# Altium PCB ECU rev B pcb.PcbDoc (part 2 of 6)
Units mil, origin at the board's own origin, x right, y up, seen from the top; angles counter-clockwise.
Board outline 5590.55 x 4937.67 mil, 4 copper layers (Top Layer, GND, Power, Bottom Layer), stack 23.756 mil thick; 577 components, 350 nets, 1799 pads, 680 vias.
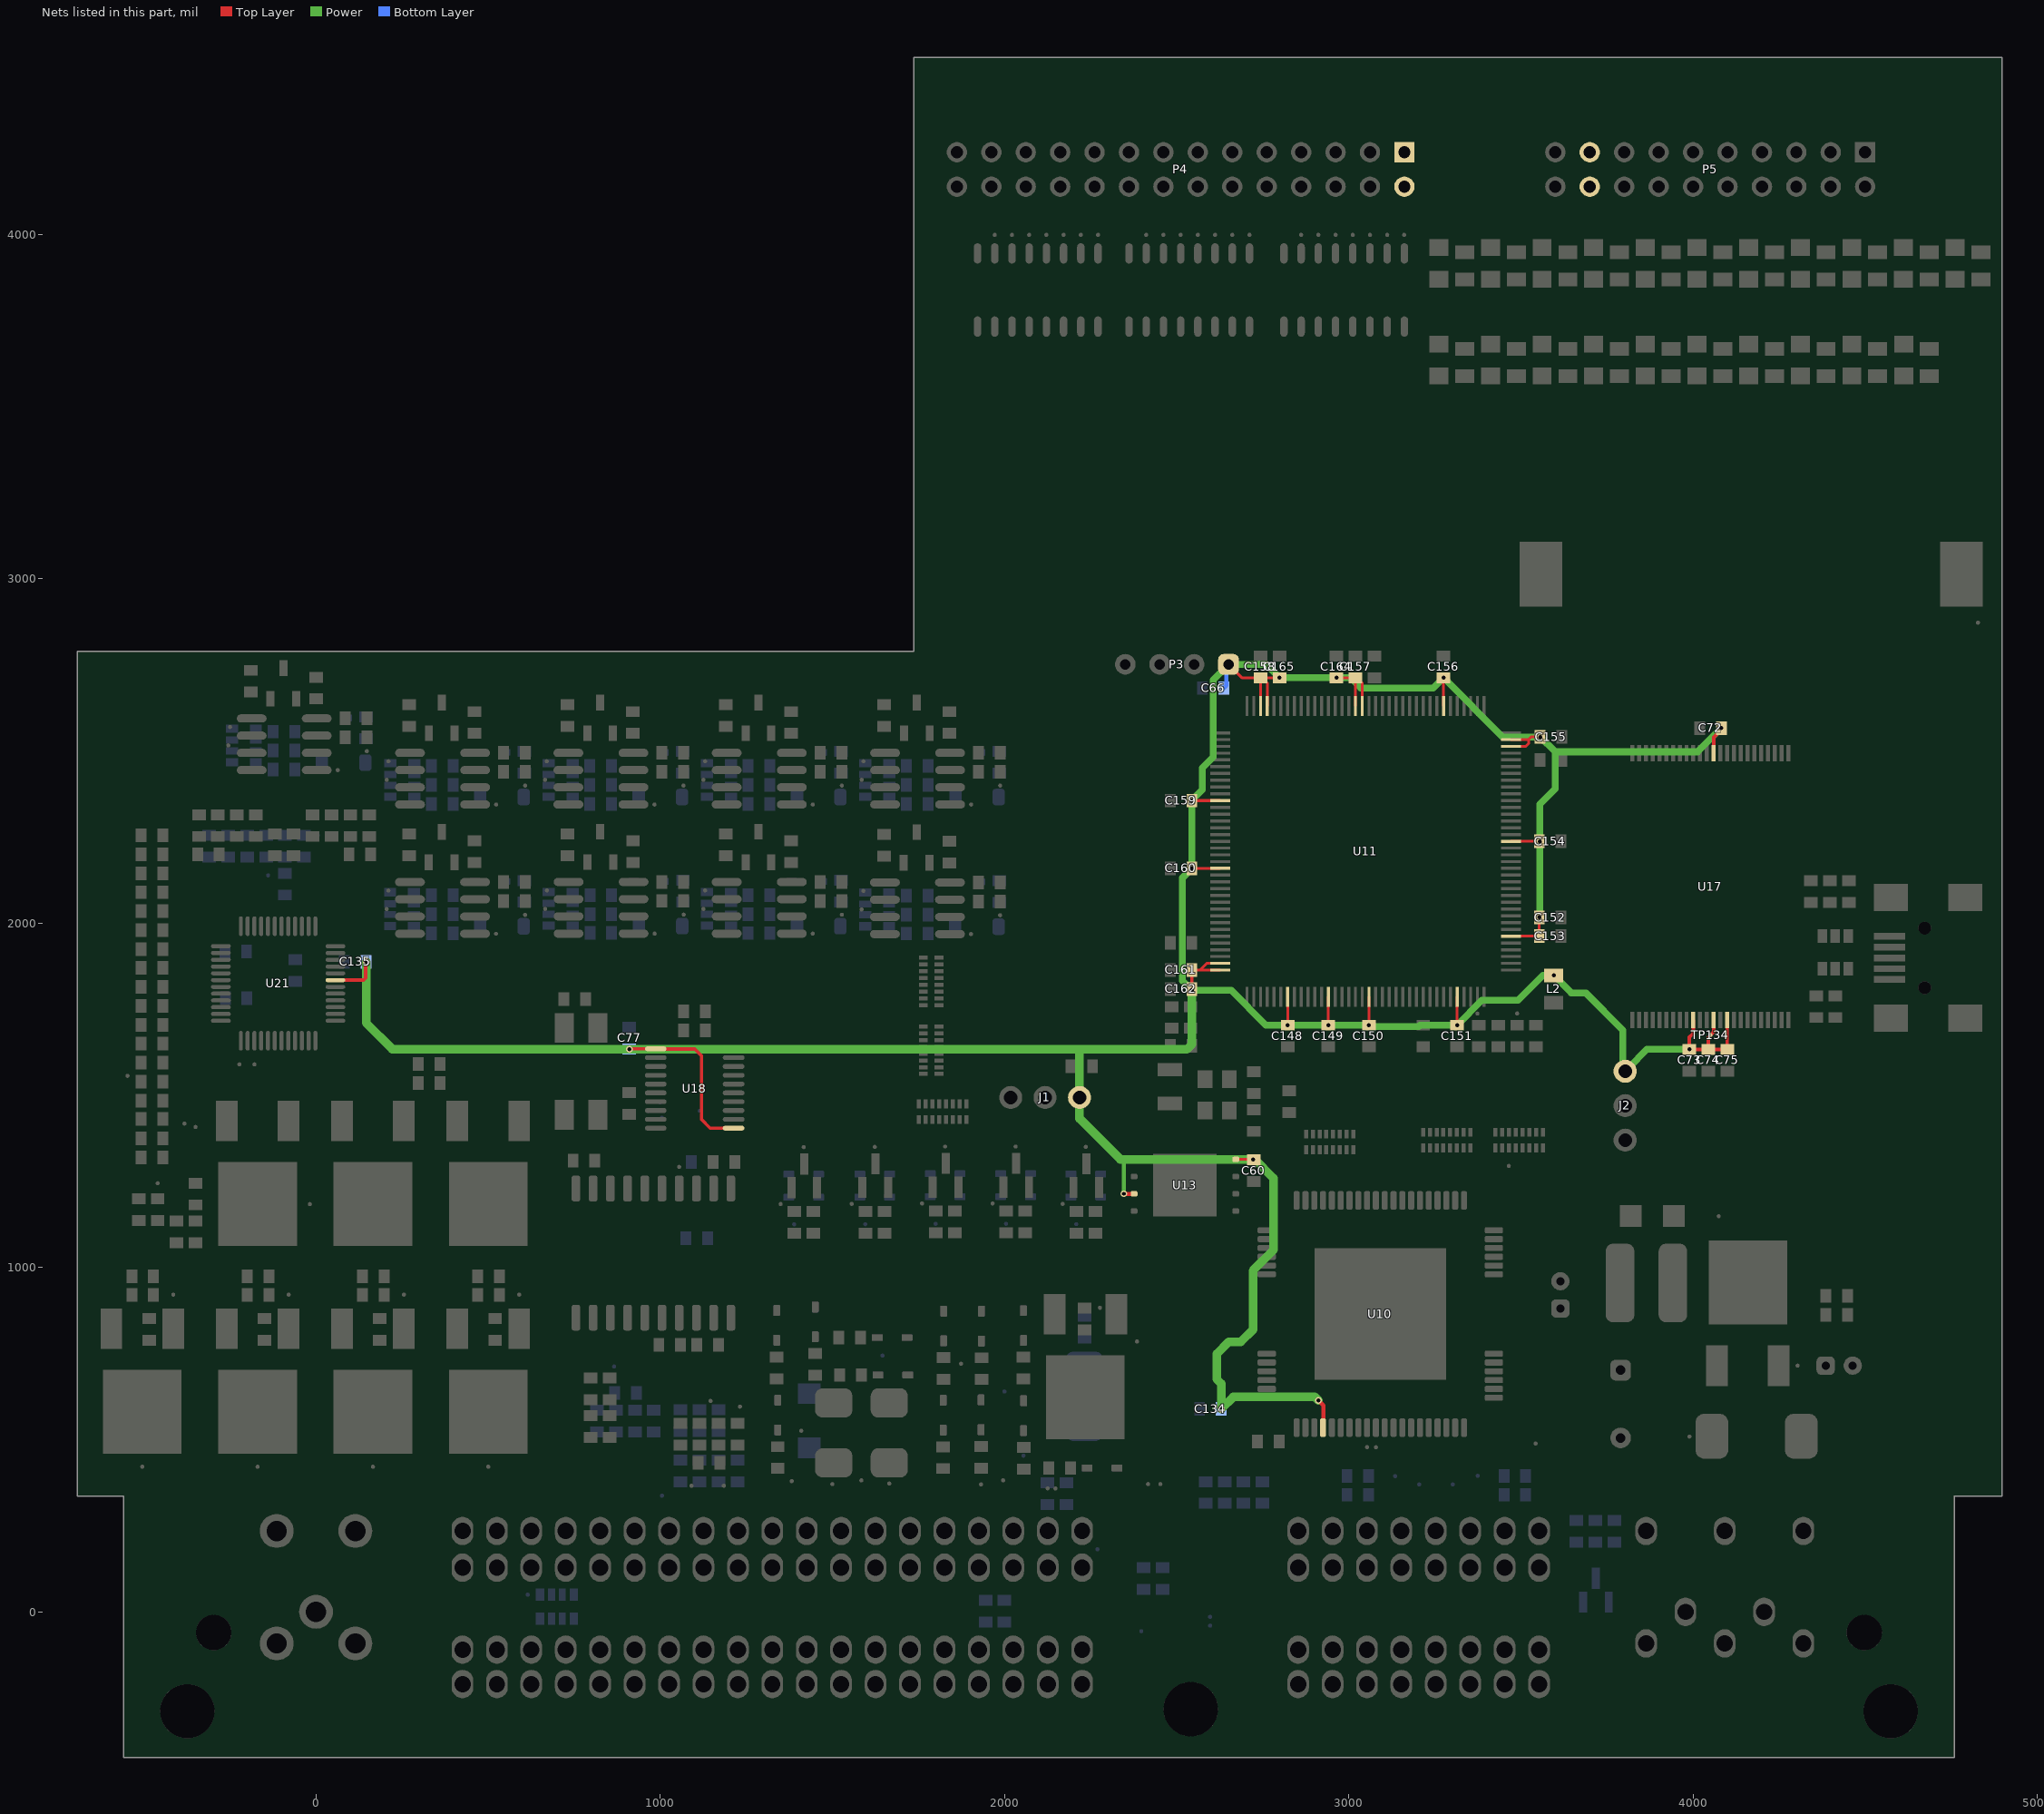
[diagram p4: the nets of this part, all layers, seen from the top]

## Components (designator, comment, footprint, x,y, rotation, side; value= is the part's Value field where it differs from the comment) (continued)
TP62 "TestPoint" TESTPOINT 3543.11,488.78 r90 top (schematic designator TP16)
TP63 "TestPoint" TESTPOINT 1827.56,1351.31 r180 top (schematic designator TP52)
TP64 "TestPoint" TESTPOINT 1800,1126.97 r180 bottom (schematic designator TP50)
TP65 "TestPoint" TESTPOINT 1760.63,1186.02 r180 top (schematic designator TP51)
TP66 "TestPoint" TESTPOINT 1623.27,1350.25 r180 top (schematic designator TP52)
TP67 "TestPoint" TESTPOINT 1595.71,1125.91 r180 bottom (schematic designator TP50)
TP68 "TestPoint" TESTPOINT 1556.34,1184.96 r180 top (schematic designator TP51)
TP69 "TestPoint" TESTPOINT 2236.22,1350.32 r180 top (schematic designator TP52)
TP70 "TestPoint" TESTPOINT 2208.66,1125.98 r180 bottom (schematic designator TP50)
TP71 "TestPoint" TESTPOINT 2169.29,1185.04 r180 top (schematic designator TP51)
TP72 "TestPoint" TESTPOINT 2032.32,1351.31 r180 top (schematic designator TP52)
TP73 "TestPoint" TESTPOINT 2004.76,1126.97 r180 bottom (schematic designator TP50)
TP74 "TestPoint" TESTPOINT 1965.39,1186.02 r180 top (schematic designator TP51)
TP75 "TestPoint" TESTPOINT 1416.77,1349.81 r180 top (schematic designator TP52)
TP76 "TestPoint" TESTPOINT 1389.21,1125.47 r180 bottom (schematic designator TP50)
TP77 "TestPoint" TESTPOINT 1349.84,1184.53 r180 top (schematic designator TP51)
TP78 "TestPoint" TESTPOINT 3161.14,3999.24 r180 top (schematic designator TP69)
TP79 "TestPoint" TESTPOINT 3111.83,3999.24 r180 top (schematic designator TP70)
TP80 "TestPoint" TESTPOINT 3061.83,3999.24 r180 top (schematic designator TP71)
TP81 "TestPoint" TESTPOINT 3011.83,3999.24 r180 top (schematic designator TP72)
TP82 "TestPoint" TESTPOINT 2961.83,3999.24 r180 top (schematic designator TP73)
TP83 "TestPoint" TESTPOINT 2911.83,3999.24 r180 top (schematic designator TP74)
TP84 "TestPoint" TESTPOINT 2861.83,3999.24 r180 top (schematic designator TP75)
TP85 "TestPoint" TESTPOINT 2711.83,3999.24 r180 top (schematic designator TP83)
TP86 "TestPoint" TESTPOINT 2271.83,3999.24 r180 top (schematic designator TP76)
TP87 "TestPoint" TESTPOINT 2661.83,3999.24 r180 top (schematic designator TP84)
TP88 "TestPoint" TESTPOINT 2221.83,3999.24 r180 top (schematic designator TP77)
TP89 "TestPoint" TESTPOINT 2611.83,3999.24 r180 top (schematic designator TP85)
TP90 "TestPoint" TESTPOINT 2171.83,3999.24 r180 top (schematic designator TP78)
TP91 "TestPoint" TESTPOINT 2561.83,3999.24 r180 top (schematic designator TP86)
TP92 "TestPoint" TESTPOINT 2121.83,3999.24 r180 top (schematic designator TP79)
TP93 "TestPoint" TESTPOINT 2511.83,3999.24 r180 top (schematic designator TP87)
TP94 "TestPoint" TESTPOINT 2071.83,3999.24 r180 top (schematic designator TP80)
TP95 "TestPoint" TESTPOINT 2461.83,3999.24 r180 top (schematic designator TP88)
TP96 "TestPoint" TESTPOINT 2021.83,3999.24 r180 top (schematic designator TP81)
TP97 "TestPoint" TESTPOINT 2411.83,3999.24 r180 top (schematic designator TP89)
TP98 "TestPoint" TESTPOINT 1971.83,3999.24 r180 top (schematic designator TP82)
TP99 "TestPoint" TESTPOINT 1055,1292.16 r90 top (schematic designator TP53)
TP100 "TestPoint" TESTPOINT 1005,1585 r90 bottom (schematic designator TP54)
TP101 "TestPoint" TESTPOINT 965,1455 r90 bottom (schematic designator TP55)
TP102 "TestPoint" TESTPOINT 1000,1480 r90 bottom (schematic designator TP56)
TP103 "TestPoint" TESTPOINT 1004.98,1435 r90 bottom (schematic designator TP57)
TP104 "TestPoint" TESTPOINT 1115,1455 r90 bottom (schematic designator TP58)
TP105 "TestPoint" TESTPOINT 165.39,421.42 r270 top (schematic designator TP30)
TP106 "TestPoint" TESTPOINT 255.39,921.42 r270 top (schematic designator TP29)
TP107 "TestPoint" TESTPOINT -504.61,421.42 r270 top (schematic designator TP30)
TP108 "TestPoint" TESTPOINT -414.61,921.42 r270 top (schematic designator TP29)
TP109 "TestPoint" TESTPOINT 500.39,421.42 r270 top (schematic designator TP30)
TP110 "TestPoint" TESTPOINT 590.39,921.42 r270 top (schematic designator TP29)
TP111 "TestPoint" TESTPOINT -169.61,421.42 r270 top (schematic designator TP30)
TP112 "TestPoint" TESTPOINT -79.61,921.42 r270 top (schematic designator TP29)
TP113 "TestPoint" TESTPOINT 2597.33,-14.58 r90 bottom (schematic designator TP31)
TP114 "TestPoint" TESTPOINT 2597.33,-40.17 r90 bottom (schematic designator TP32)
TP115 "TestPoint" TESTPOINT 2397.55,-56.14 r90 bottom (schematic designator TP33)
TP116 "TestPoint" TESTPOINT 1005.11,337.49 r90 bottom (schematic designator TP64)
TP117 "TestPoint" TESTPOINT 866.14,712.6 r90 bottom (schematic designator TP65)
TP118 "TestPoint" TESTPOINT -139.18,2139.1 r90 bottom (schematic designator TP64)
TP119 "TestPoint" TESTPOINT 5.17,2255 r90 bottom (schematic designator TP65)
TP120 "TestPoint" TESTPOINT -17.8,1184.15 r270 top (schematic designator TP45)
TP121 "TestPoint" TESTPOINT -350,1408.13 r90 top (schematic designator TP46)
TP122 "TestPoint" TESTPOINT -382,1418.14 r90 top (schematic designator TP48)
TP123 "TestPoint" TESTPOINT -460,1244.68 r90 top (schematic designator TP47)
TP124 "TestPoint" TESTPOINT -178.9,1589.97 r90 top (schematic designator TP49)
TP125 "TestPoint" TESTPOINT -222.44,1589.97 r90 top (schematic designator TP43)
TP126 "TestPoint" TESTPOINT -547.59,1556.83 r90 top (schematic designator TP44)
TP127 "TestPoint" TESTPOINT 1665.35,372.46 r90 top (schematic designator TP18)
TP128 "TestPoint" TESTPOINT 3990,509.09 r90 top (schematic designator TP20)
TP129 "TestPoint" TESTPOINT 4075,1149.09 r90 top (schematic designator TP21)
TP130 "TestPoint" TESTPOINT 1500,370.94 r90 top (schematic designator TP19)
TP131 "TestPoint" TESTPOINT 4304.18,714.92 r90 top (schematic designator TP25)
TP132 "TestPoint" TESTPOINT 3079.09,477.84 r0 top (schematic designator TP26)
TP133 "TestPoint" TESTPOINT 3053.5,478.5 r0 top (schematic designator TP27)
TP134 "TestPoint" TESTPOINT 4051.02,1675.1 r90 top (schematic designator TP28)
TP135 "TestPoint" TESTPOINT 3489.38,1738.02 r90 top (schematic designator TP22)
TP136 "TestPoint" TESTPOINT 4828,2873 r90 top (schematic designator TP24)
TP137 "TestPoint" TESTPOINT 3373.98,1737.49 r90 top (schematic designator TP23)
TP138 "TestPoint" TESTPOINT 3135,394.08 r90 bottom (schematic designator TP34)
TP139 "TestPoint" TESTPOINT 3205,370 r90 bottom (schematic designator TP35)
TP140 "TestPoint" TESTPOINT 3302.61,369.9 r90 bottom (schematic designator TP36)
TP141 "TestPoint" TESTPOINT 3375,395 r90 bottom (schematic designator TP37)
TP142 "TestPoint" TESTPOINT 2148.07,358.27 r270 top (schematic designator TP68)
TP143 "TestPoint" TESTPOINT 2385.05,785.28 r270 top (schematic designator TP66)
TP144 "TestPoint" TESTPOINT 2277.43,883.09 r270 top (schematic designator TP67)
TP145 "TestPoint" TESTPOINT 1184.72,366.26 r90 top (schematic designator TP38)
TP146 "TestPoint" TESTPOINT 1231.77,596.15 r0 top (schematic designator TP40)
TP147 "TestPoint" TESTPOINT 1090.55,366.14 r90 top (schematic designator TP39)
TP148 "TestPoint" TESTPOINT 1146.14,612.56 r90 top (schematic designator TP41)
TP149 "TestPoint" TESTPOINT 3465,1295 r90 top (schematic designator TP42)
U1 "TS912ID" SO8_N 367.64,2419.76 r0 top (schematic designator U7)
U2 "TS912ID" SO8_N 1747.64,2419.76 r0 top (schematic designator U7)
U3 "TS912ID" SO8_N 828.15,2044.87 r0 top (schematic designator U7)
U4 "TS912ID" SO8_N 1747.24,2043.35 r0 top (schematic designator U7)
U5 "TS912ID" SO8_N 1287.64,2419.76 r0 top (schematic designator U7)
U6 "TS912ID" SO8_N 1287.64,2044.76 r0 top (schematic designator U7)
U7 "TS912ID" SO8_N 827.64,2419.76 r0 top
U8 "TS912ID" SO8_N -92.36,2519.76 r0 top (schematic designator U7)
U9 "TS912ID" SO8_N 367.41,2044.39 r0 top (schematic designator U7)
U10 "L9779WD-SPI" HiQUAD-64 3091.89,865 r0 top locked (schematic designator U2)
U11 "STM32H745ZGT6" LQFP-144 3049.17,2208.49 r90 top locked (schematic designator U1)
U12 "USBLC6-4" SOT23-6 4413.39,1915.18 r0 top (schematic designator U9)
U13 "MX25L256" "WSON 8L" 2524.18,1239.04 r0 top (schematic designator U8)
U14 "ULQ2003D1013TR" SOIC127P600X175_HS-17M 2986.83,3839.27 r270 top (schematic designator U12)
U15 "ULQ2003D1013TR" SOIC127P600X175_HS-17M 2536.83,3839.27 r270 top (schematic designator U13)
U16 "ULQ2003D1013TR" SOIC127P600X175_HS-17M 2096.83,3839.27 r270 top (schematic designator U11)
U17 "MX30LFxGE8AB" TSSOP50P2000X120-48N 4050.42,2106.36 r270 top (schematic designator U10)
U18 "ST2378E" TSSOP20 1100,1520 r0 top (schematic designator U6)
U19 "HIP9011" SOIC20 1205.12,1229.53 r270 top (schematic designator U5)
U20 "ESDCAN24-2BLY" SOT23 3718.08,62.94 r90 bottom (schematic designator U4)
U21 "L9780" LQFP-48N -110,1825 r90 top (schematic designator U3)
VBAT1 "Battery holder" 796136-1 4169.29,3013.61 r180 top
VD1 "Diode" SOD323 505.39,2496.42 r180 bottom (schematic designator VD7)
VD2 "Diode" SOD323 1885.39,2496.42 r180 bottom (schematic designator VD7)
VD3 "Diode" SOD323 965.91,2121.52 r180 bottom (schematic designator VD7)
VD4 "Diode" SOD323 1885,2120 r180 bottom (schematic designator VD7)
VD5 "Diode" SOD323 1425.39,2496.42 r180 bottom (schematic designator VD7)
VD6 "Diode" SOD323 1425.39,2121.42 r180 bottom (schematic designator VD7)
VD7 "Diode" SOD323 965.39,2496.42 r180 bottom
VD8 "Diode" SOD323 45.39,2596.42 r180 bottom (schematic designator VD7)
VD9 "Diode" SOD323 505.17,2121.05 r180 bottom (schematic designator VD7)
VD10 "Diode" DO-214AC 1433.07,555.12 r270 bottom (schematic designator VD1)
VD11 "Diode" SOD323 1827.56,1272.64 r0 bottom (schematic designator VD6)
VD12 "Diode" SOD323 1623.27,1271.57 r0 bottom (schematic designator VD6)
VD13 "Diode" SOD323 2236.22,1271.65 r0 bottom (schematic designator VD6)
VD14 "Diode" SOD323 2032.32,1272.64 r0 bottom (schematic designator VD6)
VD15 "Diode" SOD323 1416.77,1271.14 r0 bottom (schematic designator VD6)
VD16 "Diode" SOD323 1341.36,571.55 r270 bottom (schematic designator VD5)
VD17 "Diode" SOD323 1673.95,796.52 r180 bottom (schematic designator VD5)
VD18 "Diode" SOD323 1932.24,572.32 r270 bottom (schematic designator VD5)
VD19 "Diode" SOD323 2055.2,831.61 r270 bottom (schematic designator VD5)
VD20 "Diode" SOD323 1933.23,829.88 r270 bottom (schematic designator VD5)
VD21 "Diode" SOD323 1675.94,687.83 r180 bottom (schematic designator VD5)
VD22 "Diode" SOD323 1338.58,832.08 r270 bottom (schematic designator VD5)
VD23 "Diode" SOD323 2055.67,569.76 r270 bottom (schematic designator VD5)
VD24 "Diode" SOD323 1450.12,842.04 r270 bottom (schematic designator VD5)
VD25 "Diode" SOD323 1823.5,830.15 r270 bottom (schematic designator VD5)
VD26 "Diode" SOD323 2283.42,417.6 r180 bottom (schematic designator VD5)
VD27 "Diode" SOD323 1822.21,571.3 r270 bottom (schematic designator VD5)
VD28 "Diode" DO-214AA 1665.35,519.69 r90 top (schematic designator VD2)
VD29 "Diode" DO-214AA 1503.94,519.69 r90 top (schematic designator VD3)
VD30 "Diode" DO-214AB 4185,510 r180 top (schematic designator VD4)
VD31 "Diode" DO-214AA 2232.28,625.98 r270 bottom (schematic designator VD8)
VD32 "TVS diode" SOD323 1341.36,571.55 r90 top (schematic designator VD)
VD33 "TVS diode" SOD323 1673.95,796.52 r0 top (schematic designator VD)
VD34 "TVS diode" SOD323 1932.24,572.32 r90 top (schematic designator VD)
VD35 "TVS diode" SOD323 2055.2,831.61 r90 top (schematic designator VD)
VD36 "TVS diode" SOD323 1933.23,829.88 r90 top (schematic designator VD)
VD37 "TVS diode" SOD323 1675.94,687.83 r0 top (schematic designator VD)
VD38 "TVS diode" SOD323 1338.58,832.08 r90 top (schematic designator VD)
VD39 "TVS diode" SOD323 2055.67,569.76 r90 top (schematic designator VD)
VD40 "TVS diode" SOD323 1450.12,842.04 r90 top (schematic designator VD)
VD41 "TVS diode" SOD323 1823.5,830.15 r90 top (schematic designator VD)
VD42 "TVS diode" SOD323 2283.42,417.6 r0 top (schematic designator VD)
VD43 "TVS diode" SOD323 1822.21,571.3 r90 top (schematic designator VD)
XT1 "KX-7 24.0 MHz / Geyer" KX-7 2617.69,1501.6 r270 top (schematic designator XT2)
XT2 "KX-327NHT 32.768 kHz / Geyer" KX–327NHT 2480.31,1525.42 r270 top (schematic designator XT3)
XT3 "6MHz" KX-13 770,1570 r90 top (schematic designator XT1)

## Footprints (in the part's own frame and the unit in brackets; to place one, negate y for a bottom-side part, rotate by r counter-clockwise, add the part's x,y. Pads: shape width x height; smd on the part's side, far side on the other; paste and mask are expansions set on the pad)
796136-1 [mm] "BATTERY CONNECTOR, SURFACE MOUNT,"
  rect 3.15x4.78 smd: 1(15.52,0) 2(-15.52,0)
  silkscreen extent -14.6,-10.32 14.6,10.32, body extent -16,-10 16,10, height 5.4
1241434-1 [mm] "ECU Connector"
  round 4 hole 4: 0(-62.85,0) 0(11.2,0.15) 0(62.85,0)
  round 2.6 hole 2.6: 0(-60.9,5.8) 0(60.9,5.8)
  round 2.5 hole 1.5: 1(-56.25,5) 2(-50.45,5) 3(-53.35,7.33) 4(-56.25,13.3) 5(-50.45,13.3)
  oval 1.6x2.1 hole 1.2: 6(3.18,13.3) 7(0.64,13.3) 8(-1.9,13.3) 9(-4.44,13.3) 10(-6.98,13.3) 11(-9.52,13.3) 12(-12.06,13.3) 13(-14.6,13.3) 14(-17.14,13.3) 15(-19.68,13.3) 16(-22.22,13.3) 17(-24.76,13.3) 18(-27.3,13.3) 19(-29.84,13.3) 20(-32.38,13.3) 21(-34.92,13.3) 22(-37.46,13.3) 23(-40,13.3) 24(-42.54,13.3) 25(3.18,10.59) 26(0.64,10.59) 27(-1.9,10.59) 28(-4.44,10.59) 29(-6.98,10.59) 30(-9.52,10.59) 31(-12.06,10.59) 32(-14.6,10.59) 33(-17.14,10.59) 34(-19.68,10.59) 35(-22.22,10.59) 36(-24.76,10.59) 37(-27.3,10.59) 38(-29.84,10.59) 39(-32.38,10.59) 40(-34.92,10.59) 41(-37.46,10.59) 42(-40,10.59) 43(-42.54,10.59) 44(3.18,4.54) 45(0.64,4.54) 46(-1.9,4.54) 47(-4.44,4.54) 48(-6.98,4.54) 49(-9.52,4.54) 50(-12.06,4.54) 51(-14.6,4.54) 52(-17.14,4.54) 53(-19.68,4.54) 54(-22.22,4.54) 55(-24.76,4.54) 56(-27.3,4.54) 57(-29.84,4.54) 58(-32.38,4.54) 59(-34.92,4.54) 60(-37.46,4.54) 61(-40,4.54) 62(-42.54,4.54) 63(3.18,2) 64(0.64,2) 65(-1.9,2) 66(-4.44,2) 67(-6.98,2) 68(-9.52,2) 69(-12.06,2) 70(-14.6,2) 71(-17.14,2) 72(-19.68,2) 73(-22.22,2) 74(-24.76,2) 75(-27.3,2) 76(-29.84,2) 77(-32.38,2) 78(-34.92,2) 79(-37.46,2) 80(-40,2) 81(-42.54,2) 82(19.12,2) 83(21.66,2) 84(24.2,2) 85(26.74,2) 86(29.28,2) 87(31.82,2) 88(34.36,2) 89(36.9,2) 90(19.12,4.54) 91(21.66,4.54) 92(24.2,4.54) 93(26.74,4.54) 94(29.28,4.54) 95(31.82,4.54) 96(34.36,4.54) 97(36.9,4.54) 98(19.12,10.59) 99(21.66,10.59) 100(24.2,10.59) 101(26.74,10.59) 102(29.28,10.59) 103(31.82,10.59) 104(34.36,10.59) 105(36.9,10.59) 106(19.12,13.3) 107(21.66,13.3) 108(24.2,13.3) 109(26.74,13.3) 110(29.28,13.3) 111(31.82,13.3) 112(34.36,13.3) 113(36.9,13.3) 114(44.8,5) 115(50.6,5) 116(56.4,5) 117(47.7,7.33) 118(53.5,7.33) 119(44.8,13.3) 120(50.6,13.3) 121(56.4,13.3)
  silkscreen extent -67,-3 67,16, body extent -72,-29.18 72,17.78, height 31.3
"CAP 5x11" [mm] "Cap radial"
  round 1.35 hole 0.6: 0(1,0)
  rrect50% 1.35x1.35 hole 0.6: 1(-1,0)
  silkscreen extent -2.5,-2.5 2.5,2.5, body extent -2.48,-2.49 2,2.48, height 11.5
"CAP 10x20" [mil] "Cap radial"
  round 60 hole 27.56: 0(98.43,0)
  rrect50% 60x60 hole 27.56: 1(-98.43,0)
  silkscreen extent -197,-197 197,197, body extent -195,-196 177,196, height 787
DO-214AA [mil] "Diode"
  rrect50% 85x107.99 smd: 0(-87.01,0) 1(86.99,0)
  silkscreen extent -110,-75 110,75, body extent -104,-71 104,75, height 92
DO-214AB [mm] "Diode"
  rrect50% 2.4x3.3 smd: 0(-3.3,0) 1(3.3,0)
  silkscreen extent -3.55,-3.11 3.55,3.11, body extent -3.9,-2.95 3.9,2.95, height 2.5
DO-214AC [mm]
  rect 1.524x1.67 smd: 0(2,0) 1(-2,0)
  silkscreen extent -2.3,-1.45 2.3,1.45, body extent -2.5,-1.35 2.5,1.35, height 2.25
DPAK228P991X238-3M [mm] "D-PAK, 3-Pads, Body 6,20x6,72mm (max), IPC Low Density"
  rect 3x1.6 smd: 1(-4.08,2.28) 3(-4.08,-2.28)
  rect 6.2x5.8 smd: 4(2.05,0)
  silkscreen extent -4.2,-3.35 -1.45,3.76, body extent -5.2,-3.37 4.9,3.37, height 2.37
HDR2X10H [mm] "Connector; Header; 10x2 Position; Right Angle"
  rect 1.5x1.5 hole 0.9: 1(0,0)
  round 1.5 hole 0.9: 2(0,2.54) 3(2.54,0) 4(2.54,2.54) 5(5.08,0) 6(5.08,2.54) 7(7.62,0) 8(7.62,2.54) 9(10.16,0) 10(10.16,2.54) 11(12.7,0) 12(12.7,2.54) 13(15.24,0) 14(15.24,2.54) 15(17.78,0) 16(17.78,2.54) 17(20.32,0) 18(20.32,2.54) 19(22.86,0) 20(22.86,2.54)
  silkscreen extent -1.27,-6.35 24.13,-1.27
HDR2X14H [mm] "Connector; Header; 14x2 Position; Right Angle"
  rect 1.5x1.5 hole 0.9: 1(0,0)
  round 1.5 hole 0.9: 2(0,2.54) 3(2.54,0) 4(2.54,2.54) 5(5.08,0) 6(5.08,2.54) 7(7.62,0) 8(7.62,2.54) 9(10.16,0) 10(10.16,2.54) 11(12.7,0) 12(12.7,2.54) 13(15.24,0) 14(15.24,2.54) 15(17.78,0) 16(17.78,2.54) 17(20.32,0) 18(20.32,2.54) 19(22.86,0) 20(22.86,2.54) 21(25.4,0) 22(25.4,2.54) 23(27.94,0) 24(27.94,2.54) 25(30.48,0) 26(30.48,2.54) 27(33.02,0) 28(33.02,2.54)
  silkscreen extent -1.27,-6.35 34.29,-1.27
"HEADER 1x4" [mil]
  rrect50% 60x60 hole 30: 1(-150,0)
  round 60 hole 30: 2(-50,0) 3(50,0) 4(150,0)
  silkscreen extent -197,-49 197,49, body extent -200,-50 200,50, height 362
HiQUAD-64 [mm]
  rrect50% 0.45x1.35 smd: 1(-6.175,-8.382) 2(-5.525,-8.382) 3(-4.875,-8.382) 4(-4.225,-8.382) 5(-3.575,-8.382) 6(-2.925,-8.382) 7(-2.275,-8.382) 8(-1.625,-8.382) 9(-0.975,-8.382) 10(-0.325,-8.382) 11(0.325,-8.382) 12(0.975,-8.382) 13(1.625,-8.382) 14(2.275,-8.382) 15(2.925,-8.382) 16(3.575,-8.382) 17(4.225,-8.382) 18(4.875,-8.382) 19(5.525,-8.382) 20(6.175,-8.382) 33(6.175,8.382) 34(5.525,8.382) 35(4.875,8.382) 36(4.225,8.382) 37(3.575,8.382) 38(2.925,8.382) 39(2.275,8.382) 40(1.625,8.382) 41(0.975,8.382) 42(0.325,8.382) 43(-0.325,8.382) 44(-0.975,8.382) 45(-1.625,8.382) 46(-2.275,8.382) 47(-2.925,8.382) 48(-3.575,8.382) 49(-4.225,8.382) 50(-4.875,8.382) 51(-5.525,8.382) 52(-6.175,8.382)
  rrect50% 1.35x0.45 smd: 21(8.382,-6.175) 22(8.382,-5.525) 23(8.382,-4.875) 24(8.382,-4.225) 25(8.382,-3.575) 26(8.382,-2.925) 27(8.382,2.925) 28(8.382,3.575) 29(8.382,4.225) 30(8.382,4.875) 31(8.382,5.525) 32(8.382,6.175) 53(-8.382,6.175) 54(-8.382,5.525) 55(-8.382,4.875) 56(-8.382,4.225) 57(-8.382,3.575) 58(-8.382,2.925) 59(-8.382,-2.925) 60(-8.382,-3.575) 61(-8.382,-4.225) 62(-8.382,-4.875) 63(-8.382,-5.525) 64(-8.382,-6.175)
  rect 9.7x9.7 smd: 65(0,0)
  Top Layer region: -4.953,4.953 -4.953,1.397 -7.112,1.397 -7.112,-1.397 -4.953,-1.397 -4.953,-4.953 4.953,-4.953 4.953,-1.397 7.112,-1.397 7.112,1.397 4.953,1.397 4.953,4.953
  silkscreen extent -7.75,-8.25 7,7, body extent -8.7,-8.7 8.7,8.7, height 3.15
JMP3 [mm]
  round 1.7 hole 1: 1(-2.54,0) 2(0,0) 3(2.54,0)
  silkscreen extent -4.06,-1.27 4.06,1.27, body extent -4.06,-1.27 4.06,1.27, height 8.64
KX-7 [mm] "Quartz Crystal"
  rect 1.3x1.1 smd: 1(-1.15,-0.9) 2(1.15,0.9) 3(-1.15,0.9) 3(1.15,-0.9)
  silkscreen extent -2,-1.7 2,1.7, body extent -1.61,-1.25 1.61,1.25, height 0.81
KX-13 [mm] "QUARTZ CRYSTAL"
  rect 2.2x1.4 smd: 1(-3.2,-1.25) 2(3.2,1.25) 3(-3.2,1.25) 3(3.2,-1.25)
  silkscreen extent -4.65,-2.75 3.5,2.5, body extent -3.5,-2.5 3.5,2.5, height 1.35
KX–327NHT [mm] "smd xtal"
  rect 1x1.8 smd: 1(-1.25,0) 2(1.25,0)
  round 0 on Keep-Out paste+0 mask+0: 3(0,0)
  silkscreen extent -2,-1.2 2,1.2, body extent -1.6,-0.75 1.6,0.75, height 0.71
"LED 0805" [mm]
  rect 1.25x1.4 smd: 1(0,0) 2(2.35,0)
  silkscreen extent -1.18,-1 3.2,1, body extent -0.03,-0.65 2.02,0.65, height 0.41
LQFP-48N [mm] "LQFP, 48-Leads, Body 7,00x7,00mm, Pitch 0,50mm, IPC Medium Density"
  oval 1.45x0.3 smd: 1(-4.225,2.75) 2(-4.225,2.25) 3(-4.225,1.75) 4(-4.225,1.25) 5(-4.225,0.75) 6(-4.225,0.25) 7(-4.225,-0.25) 8(-4.225,-0.75) 9(-4.225,-1.25) 10(-4.225,-1.75) 11(-4.225,-2.25) 12(-4.225,-2.75) 25(4.225,-2.75) 26(4.225,-2.25) 27(4.225,-1.75) 28(4.225,-1.25) 29(4.225,-0.75) 30(4.225,-0.25) 31(4.225,0.25) 32(4.225,0.75) 33(4.225,1.25) 34(4.225,1.75) 35(4.225,2.25) 36(4.225,2.75)
  oval 0.3x1.45 smd: 13(-2.75,-4.225) 14(-2.25,-4.225) 15(-1.75,-4.225) 16(-1.25,-4.225) 17(-0.75,-4.225) 18(-0.25,-4.225) 19(0.25,-4.225) 20(0.75,-4.225) 21(1.25,-4.225) 22(1.75,-4.225) 23(2.25,-4.225) 24(2.75,-4.225) 37(2.75,4.225) 38(2.25,4.225) 39(1.75,4.225) 40(1.25,4.225) 41(0.75,4.225) 42(0.25,4.225) 43(-0.25,4.225) 44(-0.75,4.225) 45(-1.25,4.225) 46(-1.75,4.225) 47(-2.25,4.225) 48(-2.75,4.225)
  silkscreen extent -4.35,-3.1 3.1,3.57, body extent -4.49,-4.49 4.49,4.49, height 1.6
LQFP-144 [mil]
  rect 58x9 smd paste+0 mask+0: 1(-422,344.49) 2(-422,324.8) 3(-422,305.12) 4(-422,285.43) 5(-422,265.75) 6(-422,246.06) 7(-422,226.38) 8(-422,206.69) 9(-422,187.01) 10(-422,167.32) 11(-422,147.64) 12(-422,127.95) 13(-422,108.27) 14(-422,88.58) 15(-422,68.9) 16(-422,49.21) 17(-422,29.53) 18(-422,9.84) 19(-422,-9.84) 20(-422,-29.53) 21(-422,-49.21) 22(-422,-68.9) 23(-422,-88.58) 24(-422,-108.27) 25(-422,-127.95) 26(-422,-147.64) 27(-422,-167.32) 28(-422,-187.01) 29(-422,-206.69) 30(-422,-226.38) 31(-422,-246.06) 32(-422,-265.75) 33(-422,-285.43) 34(-422,-305.12) 35(-422,-324.8) 36(-422,-344.49) 73(422,-344.49) 74(422,-324.8) 75(422,-305.12) 76(422,-285.43) 77(422,-265.75) 78(422,-246.06) 79(422,-226.38) 80(422,-206.69) 81(422,-187.01) 82(422,-167.32) 83(422,-147.64) 84(422,-127.95) 85(422,-108.27) 86(422,-88.58) 87(422,-68.9) 88(422,-49.21) 89(422,-29.53) 90(422,-9.84) 91(422,9.84) 92(422,29.53) 93(422,49.21) 94(422,68.9) 95(422,88.58) 96(422,108.27) 97(422,127.95) 98(422,147.64) 99(422,167.32) 100(422,187.01) 101(422,206.69) 102(422,226.38) 103(422,246.06) 104(422,265.75) 105(422,285.43) 106(422,305.12) 107(422,324.8) 108(422,344.49)
  rect 9x58 smd paste+0 mask+0: 37(-344.49,-422) 38(-324.8,-422) 39(-305.12,-422) 40(-285.43,-422) 41(-265.75,-422) 42(-246.06,-422) 43(-226.38,-422) 44(-206.69,-422) 45(-187.01,-422) 46(-167.32,-422) 47(-147.64,-422) 48(-127.95,-422) 49(-108.27,-422) 50(-88.58,-422) 51(-68.9,-422) 52(-49.21,-422) 53(-29.53,-422) 54(-9.84,-422) 55(9.84,-422) 56(29.53,-422) 57(49.21,-422) 58(68.9,-422) 59(88.58,-422) 60(108.27,-422) 61(127.95,-422) 62(147.64,-422) 63(167.32,-422) 64(187.01,-422) 65(206.69,-422) 66(226.38,-422) 67(246.06,-422) 68(265.75,-422) 69(285.43,-422) 70(305.12,-422) 71(324.8,-422) 72(344.49,-422) 109(344.49,422) 110(324.8,422) 111(305.12,422) 112(285.43,422) 113(265.75,422) 114(246.06,422) 115(226.38,422) 116(206.69,422) 117(187.01,422) 118(167.32,422) 119(147.64,422) 120(127.95,422) 121(108.27,422) 122(88.58,422) 123(68.9,422) 124(49.21,422) 125(29.53,422) 126(9.84,422) 127(-9.84,422) 128(-29.53,422) 129(-49.21,422) 130(-68.9,422) 131(-88.58,422) 132(-108.27,422) 133(-127.95,422) 134(-147.64,422) 135(-167.32,422) 136(-187.01,422) 137(-206.69,422) 138(-226.38,422) 139(-246.06,422) 140(-265.75,422) 141(-285.43,422) 142(-305.12,422) 143(-324.8,422) 144(-344.49,422)
  silkscreen extent -471,-471 471,471, body extent -437,-437 437,437, height 63
"MINI USB B SMD" [mm]
  rect 0.5x2.3 smd: 1(-1.6,7.85) 2(-0.8,7.85) 3(0,7.85) 4(0.8,7.85) 5(1.6,7.85)
  rect 2x2.5 smd: 6(-4.45,7.75) 6(-4.45,2.25) 6(4.45,7.75) 6(4.45,2.25)
  round 0.95 hole 0.95: 7(-2.2,5.25) 7(2.2,5.25)
  silkscreen extent -3.85,0 3.85,9.4, body extent -4.95,0 4.95,9.2, height 4
SDR0604 [mm]
  rrect50% 2.1x5.8 smd: 1(-1.95,0) 2(1.95,0)
  silkscreen extent -3.5,-3.5 3.5,3.5, body extent -2.9,-2.9 2.9,2.9, height 4.8
"SMD 0603" [mm]
  rect 0.8x1 smd: 1(0,0) 2(1.6,0)
  silkscreen extent -0.6,-0.7 2.2,0.7, body extent -0.03,-0.45 1.63,0.45, height 0.46
"SMD 0805" [mm]
  rect 1x1.4 smd: 1(0,0) 2(2,0)
  silkscreen extent -0.7,-0.9 2.7,0.9, body extent -0.03,-0.65 2.02,0.65, height 0.41
"SMD 1206" [mm]
  rect 1.6x1.6 smd: 1(0,0) 2(3.2,0)
  silkscreen extent -1.02,-1.02 4.23,1.02, body extent -0.03,-0.79 3.4,0.8, height 0.5
SO8_N [mm] "SOIC, 8-Leads, Body 4.9x3.9mm, Pitch 1.27mm, IPC Medium Density"
  oval 2.2x0.6 smd: 1(-2.4,1.905) 2(-2.4,0.635) 3(-2.4,-0.635) 4(-2.4,-1.905) 5(2.4,-1.905) 6(2.4,-0.635) 7(2.4,0.635) 8(2.4,1.905)
  silkscreen extent -2.52,-2.5 0.9,2.88, body extent -1.95,-2.45 1.95,2.45, height 1.75
SOD123 [mm]
  rrect50% 0.91x1.22 smd: 0(-1.6,0) 1(1.6,0)
  silkscreen extent -2.41,-0.89 2.41,0.89, body extent -1.84,-0.8 1.84,0.8, height 1.17
SOD323 [mm] "JEDEC SOD-323"
  rrect25% 0.8x0.5 smd: 1(-1.1,0) 2(1.1,0)
  silkscreen extent -1.3,-0.6 1.3,0.6, body extent -1.3,-0.67 1.3,0.68, height 1.1
SOIC20 [mm]
  rrect50% 1.9x0.63 smd: 1(0,0) 2(0,-1.27) 3(0,-2.54) 4(0,-3.81) 5(0,-5.08) 6(0,-6.35) 7(0,-7.62) 8(0,-8.89) 9(0,-10.16) 10(0,-11.43) 11(9.53,-11.43) 12(9.53,-10.16) 13(9.53,-8.89) 14(9.53,-7.62) 15(9.53,-6.35) 16(9.53,-5.08) 17(9.53,-3.81) 18(9.53,-2.54) 19(9.53,-1.27) 20(9.53,0)
  silkscreen extent 1.47,-12.06 8.06,0.64, body extent -0.61,-12.2 10.02,0.8, height 2.66
SOIC127P600X175_HS-17M [mm] "SOIC, 16-Leads, Body 9,90x3,90mm, Pitch 1,27mm, Thermal Pad 9,00.2x1,80.2mm, IPC Low Density"
  oval 1.5x0.55 smd: 1(-2.7,4.445) 2(-2.7,3.175) 3(-2.7,1.905) 4(-2.7,0.635) 5(-2.7,-0.635) 6(-2.7,-1.905) 7(-2.7,-3.175) 8(-2.7,-4.445) 9(2.7,-4.445) 10(2.7,-3.175) 11(2.7,-1.905) 12(2.7,-0.635) 13(2.7,0.635) 14(2.7,1.905) 15(2.7,3.175) 16(2.7,4.445)
  silkscreen extent -2.82,-5 1.5,5.4, body extent -2,-5 2,5, height 1.75
SOT23 [mm] "SOT23, 3-Leads, Body 2,90x2,30mm, Pitch 0,95mm, IPC Medium Density"
  rect 1.55x0.6 smd: 1(-0.875,0.95) 2(-0.875,-0.95) 3(0.875,0)
  silkscreen extent 0.18,-1.5 0.7,1.5, body extent -1.4,-1.45 1.4,1.45, height 1.3
SOT23-6 [mm]
  rect 0.7x1 smd: 1(0.95,1.2) 2(0,1.2) 3(-0.95,1.2) 4(-0.95,-1.2) 5(0,-1.2) 6(0.95,-1.2)
  silkscreen extent -1.6,-2 1.6,2.49, body extent -1.5,-1.5 1.5,1.5, height 1.1
SOT23_N [mm] "SOT23, 3-Leads, Body 2.9x1.3mm, Pitch 0.95mm, Lead Span 2.3mm - Reverse Pinning, IPC Medium Density"
  rect 1.15x0.6 smd: 1(1.125,0) 2(-1.125,-0.95) 3(-1.125,0.95)
  silkscreen extent -0.2,-1.5 1.47,1.5, body extent -0.7,-1.5 0.7,1.5, height 1.1
TESTPOINT [mm] "testpoint"
  round 0.3 smd paste+0 mask+0: 0(0,0)
TSSOP20 [mm] "TSsOP, 20-Leads, Body 6,50x4,40mm, Pitch 0,65mm,  IPC Medium Density"
  oval 1.6x0.35 smd: 1(-2.875,2.925) 2(-2.875,2.275) 3(-2.875,1.625) 4(-2.875,0.975) 5(-2.875,0.325) 6(-2.875,-0.325) 7(-2.875,-0.975) 8(-2.875,-1.625) 9(-2.875,-2.275) 10(-2.875,-2.925) 11(2.875,-2.925) 12(2.875,-2.275) 13(2.875,-1.625) 14(2.875,-0.975) 15(2.875,-0.325) 16(2.875,0.325) 17(2.875,0.975) 18(2.875,1.625) 19(2.875,2.275) 20(2.875,2.925)
  silkscreen extent -1.68,-3.3 1.68,3.3, body extent -3.3,-3.3 3.3,3.3, height 1.2
TSSOP50P2000X120-48N [mm] "TSSOP, 48-Leads, Body 12,00x18,40mm, Pitch 0,50mm, IPC Medium Density"
  rect 1.2x0.3 smd: 1(-9.85,5.75) 2(-9.85,5.25) 3(-9.85,4.75) 4(-9.85,4.25) 5(-9.85,3.75) 6(-9.85,3.25) 7(-9.85,2.75) 8(-9.85,2.25) 9(-9.85,1.75) 10(-9.85,1.25) 11(-9.85,0.75) 12(-9.85,0.25) 13(-9.85,-0.25) 14(-9.85,-0.75) 15(-9.85,-1.25) 16(-9.85,-1.75) 17(-9.85,-2.25) 18(-9.85,-2.75) 19(-9.85,-3.25) 20(-9.85,-3.75) 21(-9.85,-4.25) 22(-9.85,-4.75) 23(-9.85,-5.25) 24(-9.85,-5.75) 25(9.85,-5.75) 26(9.85,-5.25) 27(9.85,-4.75) 28(9.85,-4.25) 29(9.85,-3.75) 30(9.85,-3.25) 31(9.85,-2.75) 32(9.85,-2.25) 33(9.85,-1.75) 34(9.85,-1.25) 35(9.85,-0.75) 36(9.85,-0.25) 37(9.85,0.25) 38(9.85,0.75) 39(9.85,1.25) 40(9.85,1.75) 41(9.85,2.25) 42(9.85,2.75) 43(9.85,3.25) 44(9.85,3.75) 45(9.85,4.25) 46(9.85,4.75) 47(9.85,5.25) 48(9.85,5.75)
  silkscreen extent -9.97,-6.05 8.85,6.58, body extent -10.1,-6.05 10.1,6.05, height 1.2
"WSON 8L" [mm] "8x6x0.8mm pitch 1.27mm"
  rrect50% 0.5x0.4 smd: 1(-3.75,1.905) 2(-3.75,0.635) 3(-3.75,-0.635) 4(-3.75,-1.905) 5(3.75,-1.905) 6(3.75,-0.635) 7(3.75,0.635) 8(3.75,1.905)
  rect 4.7x4.6 smd: 9(0,0)
  silkscreen extent -3,-3 3,3, body extent -4,-3 4,3, height 0.81
YC164 [mm]
  rect 0.61x0.9 smd: 1(-1.24,-0.885) 4(1.24,-0.885) 5(1.24,0.885) 8(-1.24,0.885)
  rect 0.53x0.9 smd: 2(-0.4,-0.885) 3(0.4,-0.885) 6(0.4,0.885) 7(-0.4,0.885)
  silkscreen extent -2.03,-1.02 2.03,1.02, body extent -1.6,-0.8 1.6,0.8, height 0.55
YC248 [mm] "ARRAY CHIP RESISTORS"
  rect 0.3x0.65 smd paste+0 mask+0.051: 1(-1.75,-0.575) 2(-1.25,-0.575) 3(-0.75,-0.575) 4(-0.25,-0.575) 5(0.25,-0.575) 6(0.75,-0.575) 7(1.25,-0.575) 8(1.75,-0.575) 9(1.75,0.575) 10(1.25,0.575) 11(0.75,0.575) 12(0.25,0.575) 13(-0.25,0.575) 14(-0.75,0.575) 15(-1.25,0.575) 16(-1.75,0.575)
  silkscreen extent -2.4,-0.75 2.4,0.75, body extent -2,-0.8 2,0.8, height 0.45

## Part data
C1 C3 C7 C9 C13 C15 C19 C21 C25 C27 C31 C33 C37 C39 C43 C45 C49 C51 C72 C73 C74 C75 C76 C77 C123 C128 C135 C136 C137 C138 C144 C145 C148 C149 C150 C151 C152 C153 C154 C155 C156 C157 C158 C159 C160 C161 C163 C164 C170: library part Capasitor, "CC0603KRX7R9BB104"
C2 C4 C5 C6 C8 C10 C11 C12 C14 C16 C17 C18 C20 C22 C23 C24 C26 C28 C29 C30 C32 C34 C35 C36 C38 C40 C41 C42 C44 C46 C47 C48 C50 C52 C53 C54 C55 C56 C57 C58 C67 C68 C69 C70 C71 C85 C87 C89 C91 C94 C97 C99 C110 C111 C112 C113 C114 C115 C116 C117 C118 C119 C120 C121 C122 C166 C167 C168 C169: library part Capasitor, "CC0603KRX7R9BB102"
C59 C60 C61 C62 C63 C64 C65 C66 C101 C102 C103 C104 C105 C106: library part Capasitor
C78 C108 C109 C129 C132 C133 C134 C141 C142 C143: library part Capasitor, "CL10A105KB8NNNC"
C79 C100 C162 C165: library part Capasitor, "CC0603KRX5R6BB475"
C80 C81: library part Capasitor, "CC0603KRX7R9BB332"
C82: library part Capasitor, "CC0603KRX7R9BB223"
C83 C84: library part Capasitor, "CC0603JRNPO9BN220"
C86 C88 C90 C92: library part Capasitor, "CC0603KRX7R9BB152"
C93 C171 C175: library part Capasitor, "CC0603KRX7R9BB472"
C95 C139: library part Capasitor, "CC0603KRX7R0BB103"
C96 C98: library part Capasitor, "CC0603JRX7R7BB333"
C107: library part Capasitor, "CC0603KRX7R9BB222"
C124 C127: library part "Capasitor polar", "SH100M0010BZF-0611"
C125: library part "Capasitor polar", "SK100M0100B5S-1019"
C126: library part Capasitor, "GRM31CR72A225KA73L"
C130 C131: library part Capasitor, "CC0603JRX7R9BB103"
C140: library part Capasitor, "CC0603KRX7R7BB474"
C146 C147: library part Capasitor, "CC0603KRX5R6BB225"
C172 C176: library part Capasitor, "CC0603KRX7R9BB101"
C173 C174 C177: library part Capasitor, "CC0603KRX7R9BB471"
D1 D3 D5 D7 D9 D11 D13 D15 D17: "Schottky Barrier Double Diode", ComponentLink1Description="Manufacturer Link", ComponentLink1URL=http://www.semiconductors.philips.com/, ComponentLink2Description=Datasheet, ComponentLink2URL=http://www.semiconductors.philips.com/acrobat/datasheets/BAS70_SERIES_6.pdf, DatasheetVersion=11-Oct-2001, LatestRevisionDate=12-Dec-2006, LatestRevisionNote="IPC-7351 Footprint Added.", PackageDescription="3-Pin SOT-23 Package 0.95 mm Pitch, 2.3 mm Lead Span", PackageReference=SOT23, PackageVersion=May-1999, Published=17-Sep-2003, Publisher="Altium Limited"
D2 D4 D6 D8 D10 D12 D14 D16 D18: library part Zener, "MMSZ2V7T1G"
D19 D20 D21 D22 D23: library part Zener, "BZX384-C4V7.115"
D24 D25 D26 D27 D28 D29 D30 D31 D32 D33 D34 D35 D36 D37 D38 D39 D40 D41 D42 D43 D44: "LTST-C171GKT"
L1: library part Inductor, "SDR0604-3R3ML"
L2: library part Inductor, "BK2125HM601-T"
P1: library part 1241434-1
P3: library part JTAG-STM-SW
P4: "Header, 14-Pin, Dual row, Right Angle", LatestRevisionDate=17-Jul-2002, LatestRevisionNote="Re-released for DXP Platform.", Publisher="Altium Limited"
P5: "Header, 10-Pin, Dual row, Right Angle", LatestRevisionDate=17-Jul-2002, LatestRevisionNote="Re-released for DXP Platform.", Publisher="Altium Limited"
Q1 Q2 Q3 Q4 Q5: library part PDTC143ZT, "NPN", R1=4.7K, R2=47K
Q6 Q7 Q8 Q9: "IGBT Automotive-grade 390 V internally clamped  ESCIS 180 mJ", ComponentLink1Description=Datasheet, ComponentLink1URL=https://my.st.com/resource/en/datasheet/stgd18n40lz.pdf
Q10 Q11 Q12 Q13 Q14: "HEXFET Power MOSFET", ComponentLink1Description=datasheet, ComponentLink1URL=https://data.electronshik.ru/z/Datasheet/I/IRFR1018EPBF.pdf
R1 R4 R7 R10 R13 R16 R19 R22 R25 R38 R39 R43 R45 R47 R49 R51 R73 R100 R102 R116: library part Resistor, "RC0603FR-0710KL"
R2 R5 R8 R11 R14 R17 R20 R23 R26: library part Resistor, "RC0603FR-07100RL"
R3 R6 R9 R12 R15 R18 R21 R24 R27 R28: library part YC164, "YC164-JR-0747KL"
R29 R30 R31 R32 R33 R34: library part YC248, "YC248-JR-0733RL"
R35 R36 R37: library part Resistor, "RC0603FR-0727RL"
R40 R41 R78: library part Resistor, "RC0603FR-071ML"
R52 R53 R54 R55 R56 R57 R58 R59 R60 R61 R62 R63 R64 R65 R66 R67 R68 R69 R70 R71 R72: library part Resistor, "RC0805FR-071KL"
R74 R75 R76 R77 R119 R120: library part Resistor, "RT0603BRD0733KL"
R79 R80 R81 R82: library part Resistor, "RC0603FR-074K7L"
R83 R84: library part Resistor, "RC0603FR-0760R4L"
R85: library part Resistor, "RT0603BRD07100KL"
R86: library part Resistor, "RC0603FR-077K5L"
R87 R90: library part Resistor, "RC0603FR-07511KL"
R88 R91: library part Resistor, "RT0603BRD0710KL"
R89 R92: library part Resistor, "RC0603FR-0751KL"
R93 R94 R95 R96 R97 R98 R104 R105 R107 R109 R112 R113 R114 R115: library part Resistor
R99: library part Resistor, "RC0603FR-0711KL"
R101: library part Resistor, "RC0603FR-0745K3L"
R103: library part Resistor, "RC0603FR-07442RL"
R106 R108: library part Resistor, "RC0603FR-074K02L"
R110 R117: library part Resistor, "RC0603FR-071KL"
R111: library part Resistor, "RC0603FR-0712K1L"
R118 R121: library part Resistor, "RT0603FRE0710KL"
TP1 TP2 TP3 TP4 TP5 TP6 TP7 TP8 TP9 TP10 TP11 TP12 TP13 TP14 TP15 TP16 TP17 TP18 TP19 TP20 TP21 TP22 TP23 TP24 TP25 TP26 TP27 TP28 TP29 TP30 TP31 TP32 TP33 TP34 TP35 TP36 TP37 TP38 TP39 TP40 TP41 TP42 TP43 TP44 TP45 TP46 TP47 TP48 TP49 TP50 TP51 TP52 TP53 TP54 TP55 TP56 TP57 TP58 TP59 TP60 TP61 TP62 TP63 TP64 TP65 TP66 TP67 TP68 TP69 TP70 TP71 TP72 TP73 TP74 TP75 TP76 TP77 TP78 TP79 TP80 TP81 TP82 TP83 TP84 TP85 TP86 TP87 TP88 TP89 TP90 TP91 TP92 TP93 TP94 TP95 TP96 TP97 TP98 TP99 TP100 TP101 TP102 TP103 TP104 TP105 TP106 TP107 TP108 TP109 TP110 TP111 TP112 TP113 TP114 TP115 TP116 TP117 TP118 TP119 TP120 TP121 TP122 TP123 TP124 TP125 TP126 TP127 TP128 TP129 TP130 TP131 TP132 TP133 TP134 TP135 TP136 TP137 TP138 TP139 TP140 TP141 TP142 TP143 TP144 TP145 TP146 TP147 TP148 TP149: "testPoint"
U1 U2 U3 U4 U5 U6 U7 U8 U9: "Rail-to-Rail CMOS Dual Operational Amplifier", Code_IPC=SOIC127P600-8, Code_JEDEC=MS-012-AA, ComponentLink1Description="Manufacturer Link", ComponentLink1URL=http://www.st.com/, ComponentLink2Description=Datasheet, ComponentLink2URL=http://www.st.com/stonline/products/literature/ds/2325/ts912.pdf, DatasheetVersion=Apr-1999, LatestRevisionDate=13-Apr-2006, LatestRevisionNote="IPC-7351 Footprint Added.", PackageDescription="8-Pin Small Outline Integrated Circuit 1.27 mm Pitch", PackageReference=SO8, PackageVersion=Dec-2002, Published=24-Aug-2001, Publisher="Altium Limited"
U10: "Multifunction IC for engine management system"
U11: "No Description Available", Built_By=EMA_UL_Team, Copyright="Copyright (C) 2018 Accelerated Designs. All rights reserved", Manufacturer_Part_Number=STM32H745ZGT6, RefDes=RefDes, SourceLibrary=Updates_to_database_2020-10-19, Type=DEV, Vendor=STMicroelectronics
U13: "MX25L25635FZ2I-10G"
U14 U15 U16: library part ULN2003AIDR
U17: "1G/2G/4G-bit NAND Flash Memory  (ECC-Free)", ComponentLink1Description=Datasheet, ComponentLink1URL=https://www.mxic.com.tw/Lists/Datasheet/Attachments/6854/MX30LF4GE8AB,%203V,%204Gb,%20v1.3.pdf
U18: "8-bit dual supply 1.71 to 5.5 V level translator with I/O VCC ± 15 KV / ESD protection"
U19: "Engine Knock Signal Processor"
U20: library part ESDCANxx-2BLY
U21: "Wide range air fuel sensor control interface"
VBAT1: "Battery Holders, Battery Compatibility CR2032, Board-to-Board, 2 Position, Horizontal PCB Mount Orientation"
VD1 VD2 VD3 VD4 VD5 VD6 VD7 VD8 VD9 VD11 VD12 VD13 VD14 VD15 VD16 VD17 VD18 VD19 VD20 VD21 VD22 VD23 VD24 VD25 VD26 VD27: "PMEG2020EJ.115"
VD10: "STTH2R02A"
VD28: "STTH4R02U"
VD29 VD31: "STTH4R02U 200 V, 4 A High Effiency Ultrafast Diode", ComponentLink1Description=Datashit, ComponentLink1URL=https://www.st.com/resource/en/datasheet/stth4r02.pdf
VD30: "5.0SMDJ30CA"
VD32 VD33 VD34 VD35 VD36 VD37 VD38 VD39 VD40 VD41 VD42 VD43: "CDSOD323-T18LC"
XT1 XT2: library part xtall
XT3: library part xtall, "KX-13 6.0 MHz / Geyer"

## Via types
v1: diameter 23.62, hole 11.81, Top Layer to Bottom Layer, tented both sides, 321 vias
v2: diameter 19.68, hole 11.81, Top Layer to Bottom Layer, tented both sides, 296 vias
v3: diameter 23.62, hole 15.75, Top Layer to Bottom Layer, 49 vias
v4: diameter 17.72, hole 11.81, Top Layer to Bottom Layer, tented both sides, 8 vias
v5: diameter 47.24, hole 23.62, Top Layer to Bottom Layer, tented both sides, 2 vias
v6: diameter 236.22, hole 165.35, Top Layer to Bottom Layer, 2 vias
v7: diameter 236.22, hole 165.35, Top Layer to Bottom Layer, tented both sides, 1 vias
v8: diameter 23.62, hole 11.81, Top Layer to Bottom Layer, 1 vias

## Nets (pads, with @x,y where several pads share a name; then routed paths per layer and width w, separated by ;. In a path a pad name is that pad's centre, name@x,y a point inside that pad or via, vN(x,y) a via of type N, cw(c..) or ccw(c..) an arc to the next point about the centre after c; other vN are vias at no path point)
3V3: C60.1 C66.2 C72.2 C73.2 C74.2 C75.2 C77.1 C134.2 C135.2 C148.2 C149.2 C150.2 C151.2 C152.2 C153.2 C154.2 C155.2 C156.2 C157.2 C158.2 C159.2 C160.2 C161.2 C162.2 C164.2 C165.2 J1.3 J2.1 L2.2 P3.1 P4.1 P4.2 P5.17 P5.18 TP134.0 U10.4 U11.7 U11.13 U11.19 U11.32 U11.42 U11.56 U11.70 U11.71 U11.79 U11.91 U11.92 U11.105 U11.106 U11.119 U11.129 U11.143 U11.144 U13.3 U13.8 U17.12 U17.34 U17.37 U17.39 U18.1 U18.11 U21.19 | length 12682.2
  Top Layer w8: C162.2@2544.5,1808.88 C161.2@2544.5,1864 2568.12,1864 ; v2(2544.5,2159.28) U11.129@2627.17,2159.28 ; C159.2@2544.5,2356.13 U11.119@2627.17,2356.13 ; U11.144@2627.17,1864 2568.12,1864 ; U11.143@2627.17,1883.69 2587.8,1883.69 2568.12,1864 ; P3.1@2650.9,2751.82 2689.56,2713.17 C158.2@2744.05,2713.17 U11.106@2744.05,2630.49 ; U13.8@2671.82,1314.04 2722.97,1314.04 C60.1@2724.22,1312.8 ; U11.105@2763.74,2630.49 2763.74,2697.42 2747.99,2713.17 v2(2799.17,2713.17) ; v2(2822.8,1703.81) U11.7@2822.8,1786.49 ; v2(2940.91,1703.81) U11.13@2940.91,1786.49 ; v2(2964.53,2713.17) C157.2@3019.65,2713.17 ; U11.92@3019.65,2630.49 C157.2@3019.65,2713.17 ; U11.91@3039.33,2630.49 3039.33,2697.42 3023.58,2713.17 C157.2@3019.65,2713.17 ; v2(3059.02,1703.81) U11.19@3059.02,1786.49 ; U11.79@3275.55,2630.49 v2(3275.55,2713.17) ; v2(3314.92,1703.81) U11.32@3314.92,1786.49 ; U11.42@3471.17,1962.43 C153.2@3553.85,1962.43 C152.2@3553.85,2016.32 ; U11.56@3471.17,2238.02 C154.2@3553.85,2238.02 ; U11.70@3471.17,2513.61 3514.48,2513.61 3522.35,2521.48 3522.35,2533.29 ; U11.71@3471.17,2533.29 3522.35,2533.29 ; v2(3556.31,2541.17) 3530.23,2541.17 3522.35,2533.29
  Top Layer w10: U21.19@56.34,1834.84 138.02,1834.84 143.88,1840.7 v2@143.88,1888.02 ; v2@910,1635 910.16,1635.16 U18.1@986.81,1635.16 986.97,1635 1100,1635 1120,1615 1120,1430 1145.16,1404.84 U18.11@1213.19,1404.84 ; U17.34@4001.21,1718.57 4001.21,1680.29 3989.64,1668.72 v1(3989.64,1633.56) C74.2@4044.64,1633.56 ; TP134.0@4051.02,1674.72 4044.64,1668.34 C74.2@4044.64,1633.56 ; TP134.0@4051.37,1675.45 4060.27,1684.35 U17.37@4060.27,1718.57 ; U17.12@4060.27,2494.16 4060.27,2540.27 C72.2@4082.63,2562.63 ; U17.39@4099.64,1718.57 C75.2@4099.64,1633.56 C74.2@4044.64,1633.56
  Top Layer w12: v2(2346.84,1214.27) 2347.07,1214.04 U13.3@2376.54,1214.04 ; v2(2911.83,614.27) 2926.19,599.91 2926.19,580.14 2926.3,580.03 U10.4@2926.3,535.75
  Power w12: 2336.83,1314.27 2346.84,1304.25 v2(2346.84,1214.27)
  Power w20: v2(3553.85,2017.54) 3555.12,2018.81 v2(3555.12,2238.02) 3555.12,2345.69 3599.61,2390.19 3599.61,2497.86 ; J2.1@3803.15,1570.08 3796.23,1576.99 3796.23,1689.81 3688.98,1797.07 3646.86,1797.07 v2(3595.68,1848.25) 3564.11,1848.25 3491.89,1776.03 3387.14,1776.03 v2(3314.92,1703.81) 3206.98,1703.81 3203.53,1700.36 3062.46,1700.36 v2(3059.02,1703.81) v2(2940.91,1703.81) v2(2822.8,1703.81) 2759.73,1703.81 2658.59,1804.95 v2(2544.5,1804.95) 2516.69,1832.76 2516.69,2131.47 v2(2544.5,2159.28) 2544.5,2354.94 v2(2543.31,2356.13) 2574.8,2387.62 2574.8,2450.62 2606.29,2482.11 2606.29,2707.21 P3.1@2650.9,2751.82 2760.52,2751.82 v2(2799.17,2713.17) v2(2964.53,2713.17) 3005.17,2713.17 3035.43,2682.9 3245.28,2682.9 v2(3275.55,2713.17) 3447.55,2541.17 v2(3556.31,2541.17) 3599.61,2497.86 ; J2.1@3813.61,1580.54 3866.63,1633.56 v1(3989.64,1633.56) ; v2(4082.63,2566.57) 4013.92,2497.86 3599.61,2497.86
  Power w25: v2(145.56,1887.99) 145.56,1710.54 221.83,1634.27 v2(910,1634.27) ; v2@910.88,1633.39 2218.11,1633.39 ; v2(2544.5,1804.95) 2544.5,1648.04 2529.85,1633.39 2218.11,1633.39 ; v2(2911.83,614.27) 2901.83,624.27 2664.82,624.27 v2(2629.82,589.27) 2629.82,662.77 2616.83,675.76 2616.83,749.27 2651.83,784.27 2686.83,784.27 2721.83,819.27 2721.83,991.16 2781.83,1051.16 2781.83,1259.27 2726.83,1314.27 v2(2721.83,1314.27) 2336.83,1314.27 2218.11,1432.98 J1.3@2218.11,1493.92 2218.11,1633.39
  Bottom Layer w12: C66.2@2637.8,2682.9 2644.35,2689.45 2644.35,2745.26 P3.1@2650.9,2751.82